# Altium PCB SVPX_FMC_6U_SOM.PcbDoc (part 9 of 9)
Units mm, origin at the board's own origin, x right, y up, seen from the top; angles counter-clockwise.
Board outline 160.38 x 233.53 mm, 10 copper layers (Top Layer, L1, P1, L2, P2, P3, L3, P4, L4, Bottom Layer), stack 1.749 mm thick; 649 components, 1262 nets, 4113 pads, 1924 vias.
Unrouted connection lines stored in the file: 1553.
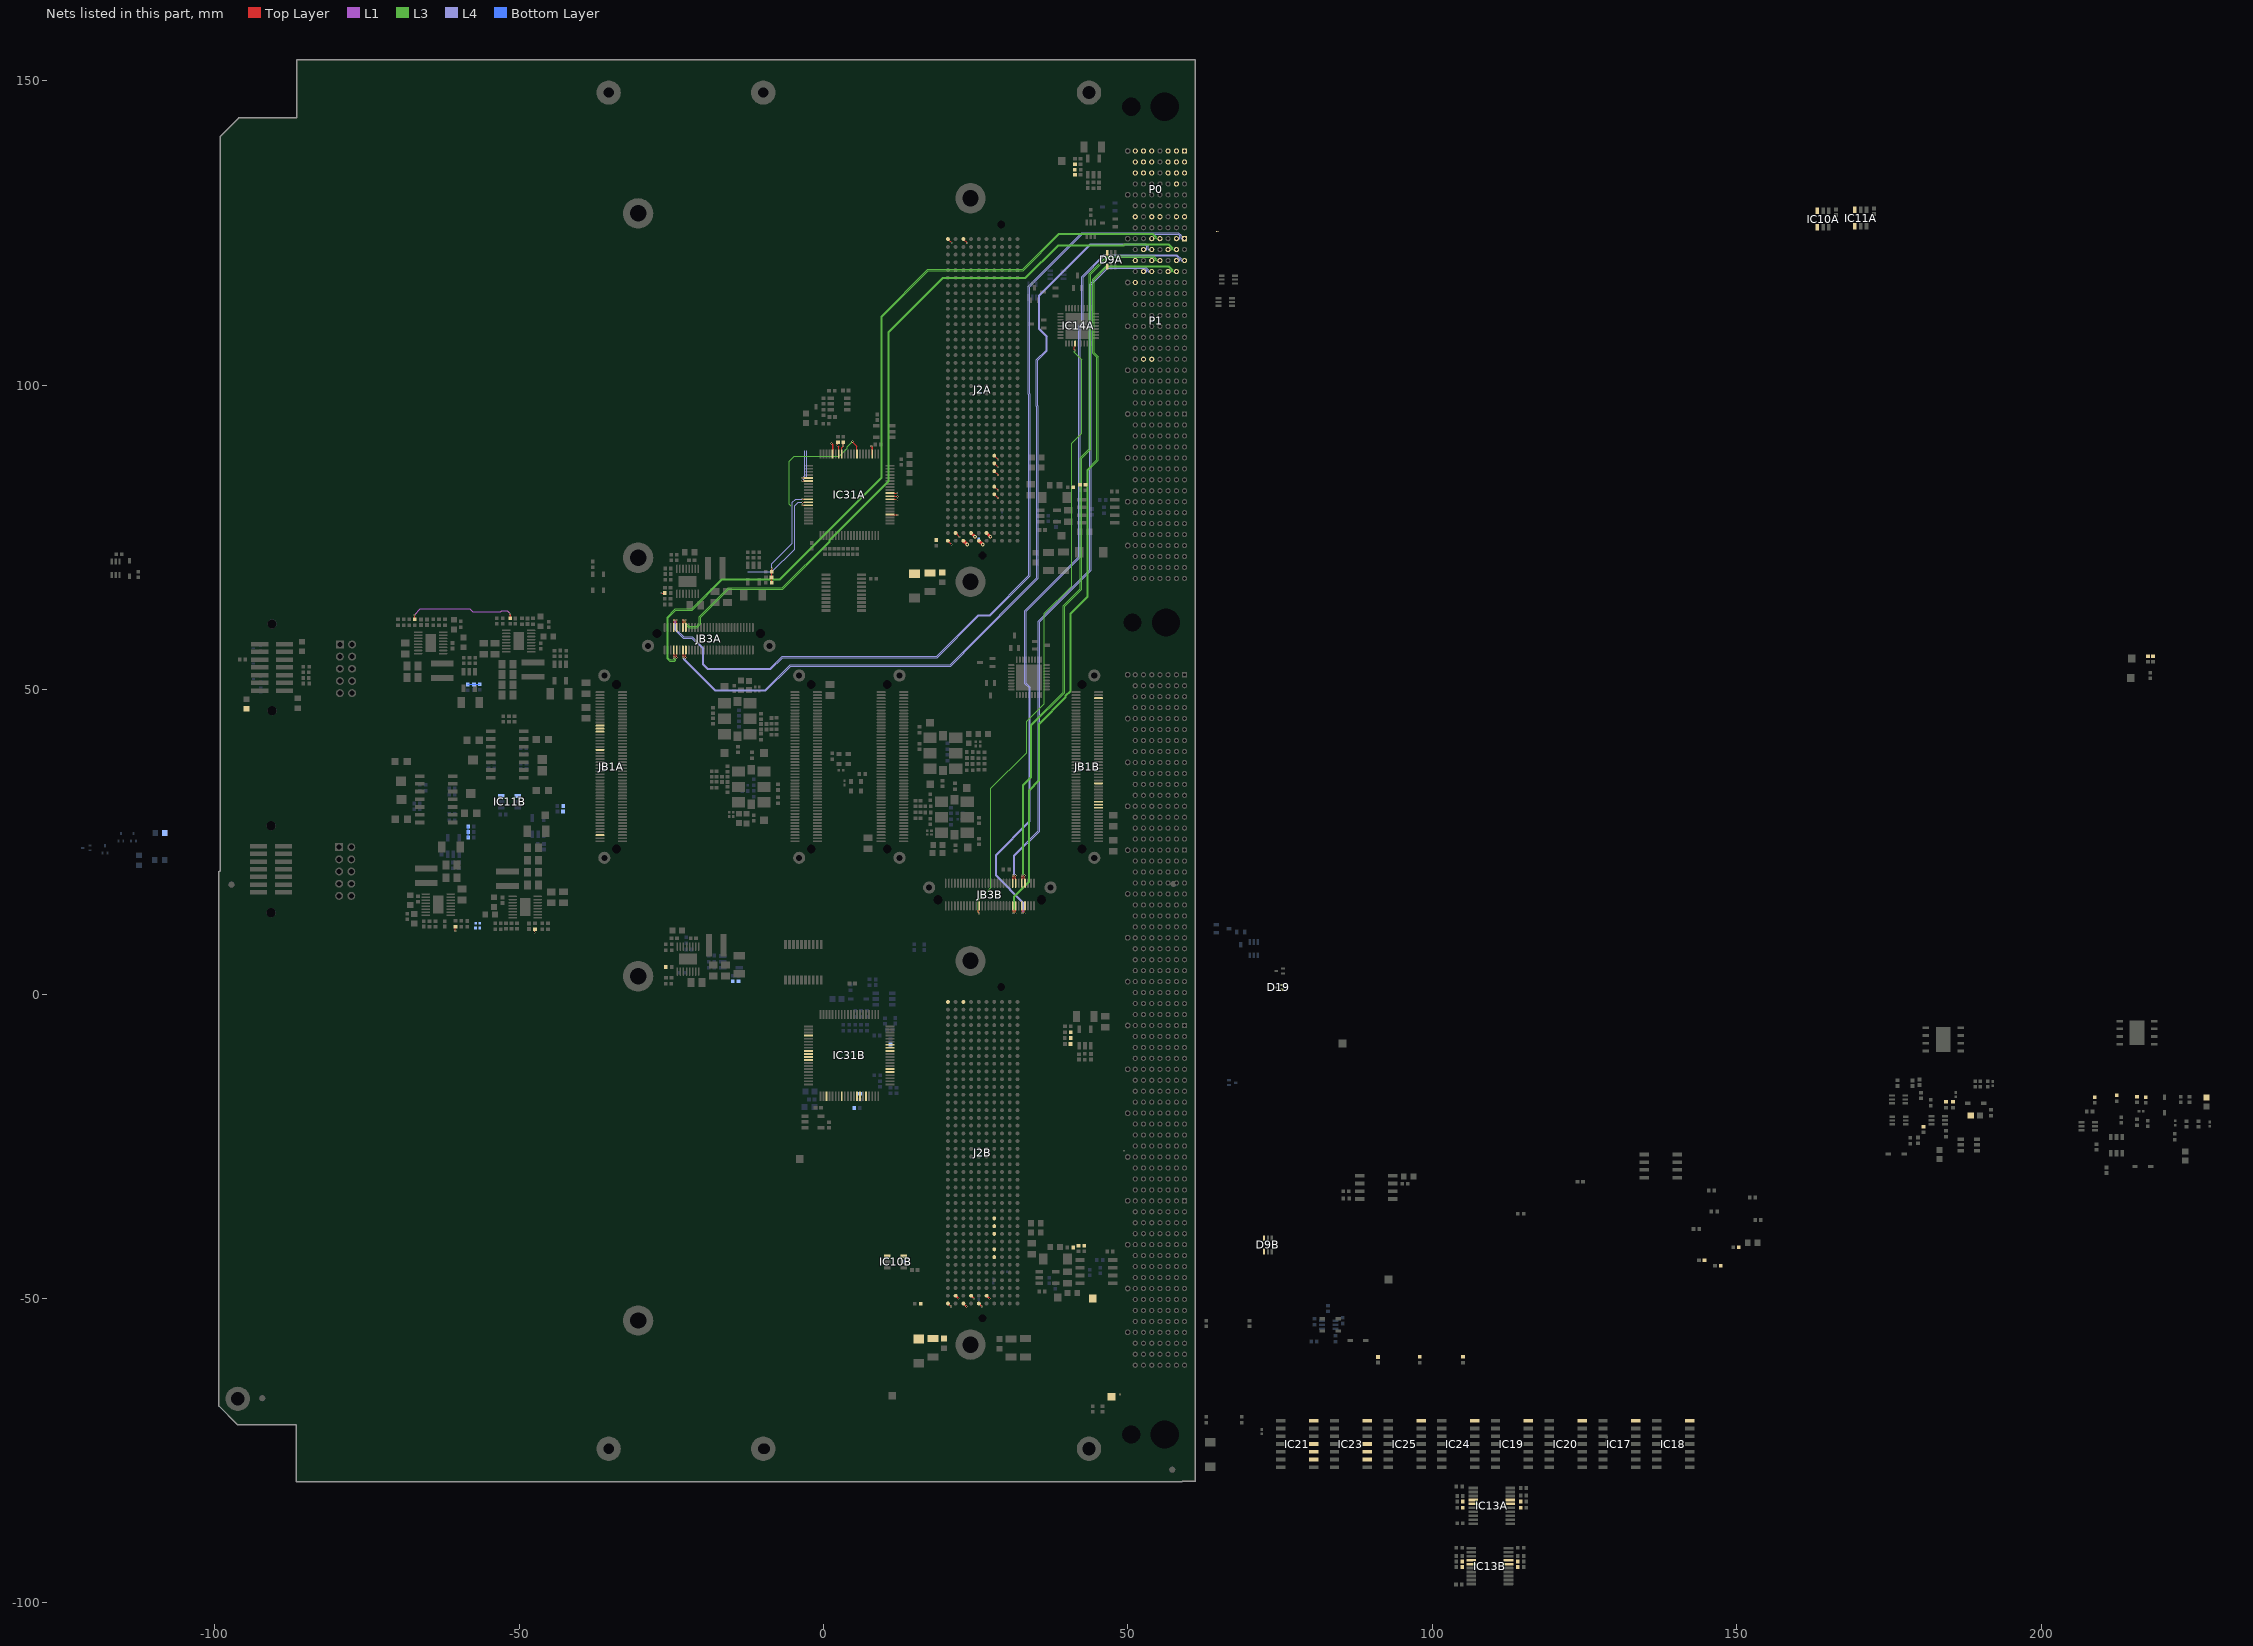
[diagram p17: the nets of this part, all layers, seen from the top]

## Via types
v1: diameter 0.32, hole 0.16, Top Layer to Bottom Layer, 654 vias
v2: diameter 0.6, hole 0.3, Top Layer to Bottom Layer, 398 vias
v3: diameter 1, hole 0.5, Top Layer to Bottom Layer, 314 vias
v4: diameter 0.3, hole 0.2, Top Layer to Bottom Layer, tented both sides, 270 vias
v5: diameter 0.6, hole 0.5, Top Layer to Bottom Layer, 248 vias
v6: diameter 0.5, hole 0.2, Top Layer to Bottom Layer, 18 vias
v7: diameter 0.3, hole 0.2, Top Layer to Bottom Layer, 18 vias
v8: diameter 0.4, hole 0.3, Top Layer to Bottom Layer, tented both sides, 4 vias

## Nets (pads, with @x,y where several pads share a name; then routed paths per layer and width w, separated by ;. In a path a pad name is that pad's centre, name@x,y a point inside that pad or via, vN(x,y) a via of type N, cw(c..) or ccw(c..) an arc to the next point about the centre after c; other vN are vias at no path point) (continued)
SpWB_SoutB_P: IC14A.31 JB3B.37 | length 102.6
  Top Layer w0.118: v1(25.535,13.259) 25.535,13.314 25.447,13.401 25.447,13.74 25.575,13.867 JB3B.37@25.575,14.5 ; v1(41.292,105.715) 41.292,105.77 41.205,105.857 41.205,106.311 41.332,106.439 IC14A.31@41.332,106.846
  L3 w0.078: v1(25.535,13.259) 25.535,13.324 25.438,13.42 25.438,15.431 27.507,17.5 27.507,33.781 33.401,39.675 33.401,44.814 36.296,47.708 36.296,62.534 40.783,67.021 40.783,90.448 42.417,92.082 42.417,104.217 41.196,105.438 41.196,105.553 41.292,105.649 v1(41.292,105.715)
SYNCA: JB1A.96 R4A.1 R17A.1 R25A.1 | length 18.6
  Top Layer w0.127: R17A.1@-67.15,61.545 v1(-67.151,62.284) ; v1(-26.65,65.85) R25A.1@-26.045,65.85
  Top Layer w0.254: v1(-51.46,62.459) -51.459,62.457 R4A.1@-51.459,61.723
  L1 w0.127: v1(-67.151,62.284) -66.188,63.246 -58.115,63.246 -57.639,62.77 -53.024,62.77 -52.872,62.922 -51.924,62.922 v1(-51.46,62.459)
SYNCB: JB1B.96 R4B.1 R17B.1 R25B.1 | length 1.4
  Top Layer w0.127: v1(-60.452,10.338) -60.444,10.346 R17B.1@-60.444,11.081 ; v1(-47.422,10.084) -47.422,10.655 R4B.1@-47.396,10.681
  other v4: 49.372,-25.742
SYS_CON*: P1.G5
SYS_CON*_A: D9A.4 IC21.9 IC31A.25 | length 5.6
  Top Layer w0.127: v1(-3.48,84.785) -3.475,84.78 -2.455,84.78 IC31A.25@-2.45,84.775
  L4 w0.127: v1(-3.48,84.785) -3.099,85.166 -3.099,89.205
SYS_CON*_B: D9B.4 IC23.9 IC31B.25
SYS_CONA_P: D9A.3 IC21.10 IC31A.26 | length 6.3
  Top Layer w0.127: v1(-3.48,84.303) -3.466,84.289 -2.464,84.289 IC31A.26@-2.45,84.275
  L4 w0.127: v1(-3.48,84.303) -2.769,85.014 -2.769,89.256
SYS_CONB_P: D9B.3 IC23.10 IC31B.26
SYS_CONP*: IC21.11 IC23.11
SYSRESET*: C210A.2 C210B.2 P0.B4 TP26.1
  other v4: 48.712,-65.791
TCK*_14: P0.G7
TCKA: J2A.d29 | length 0.9
  Top Layer w0.127: J2A.d29@28.05,88.431 v1(28.685,87.796)
TCKB: J2B.d29
TDI*_14: NT2.2 P0.D7
TDIA: J2A.d30 | length 0.9
  Top Layer w0.127: J2A.d30@28.05,87.161 v1(28.685,86.526)
TDIB: J2B.d30
TDO*_14: NT2.1 P0.E7
TDOA: J2A.d31 | length 0.9
  Top Layer w0.127: J2A.d31@28.05,85.891 v1(28.685,85.256)
TDOB: J2B.d31
TEMP_SCLA: IC10A.1 IC11A.1 IC31A.14 R96A.1 | length 2
  Top Layer w0.127: R96A.1@2.362,90.614 2.261,90.513 v1(2.261,90.119) 2.261,90.102 2.5,89.863 IC31A.14@2.5,88.725
TEMP_SCLB: IC10B.1 IC11B.1 IC31B.14 R96B.1
TEMP_SDAA: IC10A.6 IC11A.6 IC31A.13 R95A.1 | length 2.1
  Top Layer w0.127: IC31A.13@3,88.725 3,89.766 3.226,89.992 v1(3.226,90.094) 3.226,90.335 3.251,90.36 3.124,90.487 R95A.1@3.251,90.614
TEMP_SDAB: IC10B.6 IC11B.6 IC31B.13 R95B.1
TMS*_14: P0.B7
TMSA: J2A.d33 | length 0.9
  Top Layer w0.127: J2A.d33@28.05,83.351 v1(28.685,82.716)
TMSB: J2B.d33
TRST*_14: P0.A7
TRST_LA: J2A.d34 | length 0.9
  Top Layer w0.127: J2A.d34@28.05,82.081 v1(28.685,81.446)
TRST_LB: J2B.d34
TxDA: IC31A.8 R145A.2 | length 21.6
  Top Layer w0.127: v1(4.75,90.729) 5.5,89.979 IC31A.8@5.5,88.725
  L3 w0.127: -5.41,80.188 -5.639,80.416 -5.639,87.503 -4.775,88.367 2.591,88.367 2.972,88.748 3.879,89.655 3.879,89.858 v1(4.75,90.729)
TxDB: IC31B.8 R145B.2
UD_I2C_SCL_2V5A: IC13A.4 R38A.2
UD_I2C_SCL_2V5B: IC13B.4 R38B.2
UD_I2C_SCL_13: D19.1 P1.E12 R153.1
UD_I2C_SCLA: IC13A.17 IC13B.17 R39A.1 R39B.1 R153.2
UD_I2C_SDA_2V5A: IC13A.5 R40A.2
UD_I2C_SDA_2V5B: IC13B.5 R40B.2
UD_I2C_SDA_13: D19.2 P1.F12 R152.1
UD_I2C_SDAA: IC13A.16 IC13B.16 R41A.1 R41B.1 R152.2
Umeas_P2V5A: C86A.2 IC31A.33 R79A.2 R80A.2 | length 20.9
  Top Layer w0.127: v1(-3.48,80.772) -3.478,80.773 -2.452,80.773 IC31A.33@-2.45,80.775
  L4 w0.127: -12.471,69.367 -8.458,69.367 -4.75,73.076 -4.75,80.188 -4.166,80.772 v1(-3.48,80.772)
  Bottom Layer w0.127: R80A.2@-58.43,50.845 -56.483,50.845 R79A.2@-56.439,50.889
Umeas_P2V5B: C86B.2 IC31B.33 R79B.2 R80B.2 | length 1.8
  Bottom Layer w0.127: R79B.2@-58.357,25.705 -58.349,25.712 R80B.2@-58.349,26.624 -58.354,26.629 C86B.2@-58.354,27.524
Umeas_P3V3A: C87A.2 IC31A.32 R88A.1 R90A.2 | length 17.5
  Top Layer w0.127: R88A.1@-8.53,67.55 R90A.2@-8.53,69.35 -8.484,69.396 v1(-8.484,69.875) ; v1(-3.48,81.28) -3.477,81.277 -2.452,81.277 IC31A.32@-2.45,81.275
  L4 w0.127: v1(-8.484,69.875) -8.484,70.663 -5.105,74.041 -5.105,80.772 -4.597,81.28 v1(-3.48,81.28)
Umeas_P3V3B: C87B.2 IC31B.32 R88B.1 R90B.2
Umeas_P3V3MPA: C166A.2 IC31A.64 R87A.2 R93A.2 | length 1.2
  Top Layer w0.127: IC31A.64@10.95,78.775 10.98,78.745 12.111,78.745 v1(12.141,78.715)
Umeas_P3V3MPB: C166B.2 IC31B.64 R87B.2 R93B.2
Umeas_P5V0A: C82A.2 IC31A.34 R24A.1 | length 1
  Top Layer w0.127: v1(-3.48,80.315) -3.46,80.295 -2.47,80.295 IC31A.34@-2.45,80.275
Umeas_P5V0B: C82B.2 IC31B.34 R24B.1
Umeas_P12V0A: C23A.2 IC31A.3 R65A.2 R72A.2 | length 1.3
  Top Layer w0.254: v1(7.874,90.018) 7.887,90.005 7.887,89.927 7.905,89.909 7.905,89.856 7.977,89.784 7.977,88.748 IC31A.3@8,88.725
Umeas_P12V0B: C23B.2 IC31B.3 R65B.2 R72B.2
Umeas_P12V0INA: C11A.2 IC31A.16 R1A.2 R10A.2 | length 1.8
  Top Layer w0.254: v1(1.321,90.424) 1.321,90.406 1.5,90.227 IC31A.16@1.5,88.725
Umeas_P12V0INB: C11B.2 IC31B.16 R1B.2 R10B.2
UPD_MISOA: IC31A.70 | length 1.2
  Top Layer w0.086: IC31A.70@10.95,81.775 10.988,81.737 v1(12.141,81.737)
UPD_MISOB: IC31B.70
UPD_MOSIA: IC31A.69 | length 1.2
  Top Layer w0.086: IC31A.69@10.95,81.275 10.996,81.229 v1(12.116,81.229)
UPD_MOSIB: IC31B.69
UPD_SCKA: IC31A.71 JB1A.28 | length 1.2
  Top Layer w0.086: IC31A.71@10.95,82.275 10.954,82.271 v1(12.116,82.271)
UPD_SCKB: IC31B.71 JB1B.28
UPD_SPI.P1V8_outA: JB1A.40
UPD_SPI.P1V8_outB: JB1B.40
UPD_SPI.UPD_MISOA: JB1A.24
UPD_SPI.UPD_MISOB: JB1B.24
UPD_SPI.UPD_MOSIA: JB1A.26
UPD_SPI.UPD_MOSIB: JB1B.26
UPD_SPI.UPD_SCKA: R100A.2
UPD_SPI.UPD_SCKB: R100B.2
UPD_SPI.UPD_SDIA: R109A.2
UPD_SPI.UPD_SDIB: R109B.2
UPD_SPI.UPD_SDOA: R101A.2
UPD_SPI.UPD_SDOB: R101B.2
UPD_SPI.UPD_SSA: R99A.2
UPD_SPI.UPD_SSB: JB1B.18 R99B.2
UPD_SPI.UPD_SSB: IC31B.72
UTP01-RD0_N: JB3A.7 P1.B1 | length 148.7
  Top Layer w0.167: JB3A.7@-24.6,60.2 -24.6,60.836 -24.496,60.939 -24.496,61.205 -24.53,61.239 -24.53,61.399 v1(-24.56,61.428)
  L4 w0.086: v1(-24.56,61.428) -24.56,61.374 -24.447,61.261 -24.447,59.846 -23.056,58.455 -21.621,58.455 -19.855,56.688 -19.855,54.072 -19.105,53.323 -8.628,53.323 -6.697,55.253 18.652,55.253 25.529,62.13 27.357,62.13 33.858,68.631 33.858,98.628 33.858,116.18 42.512,124.833 58.224,124.833 58.531,124.526 58.531,124.116 58.481,124.065 P1.B1@57.954,124.065
UTP01-RD0_P: JB3A.9 P1.A1 | length 148.7
  Top Layer w0.167: v1(-24.14,61.428) -24.169,61.399 -24.169,61.239 -24.203,61.205 -24.203,60.939 -24.1,60.836 JB3A.9@-24.1,60.2
  L4 w0.086: v1(-24.14,61.428) -24.14,61.374 -24.252,61.261 -24.252,59.927 -22.975,58.65 -21.541,58.65 -19.66,56.769 -19.66,54.153 -19.025,53.518 -8.709,53.518 -6.778,55.448 18.571,55.448 25.448,62.325 27.277,62.325 33.663,68.712 33.663,98.547 33.663,116.26 42.431,125.028 58.305,125.028 58.726,124.607 58.726,124.116 58.777,124.065 P1.A1@59.304,124.065
UTP01-RD0B_N: JB3B.7 P1.B3 | length 132.5
  Top Layer w0.167: v1(33.035,13.272) 33.005,13.301 33.005,13.461 32.971,13.495 32.971,13.761 33.075,13.864 JB3B.7@33.075,14.5
  L4 w0.086: v1(33.035,13.272) 33.035,13.326 32.922,13.439 32.922,15.03 28.448,19.504 28.448,22.809 33.992,28.353 33.992,50.362 33.274,51.079 33.274,62.894 42.13,71.75 42.13,109.715 42.622,110.206 42.622,117.729 46.126,121.233 57.969,121.233 58.531,120.671 58.531,120.516 58.481,120.465 P1.B3@57.954,120.465
UTP01-RD0B_P: JB3B.9 P1.A3 | length 133.1
  Top Layer w0.167: JB3B.9@32.575,14.5 32.575,13.864 32.678,13.761 32.678,13.495 32.644,13.461 32.644,13.301 v1(32.615,13.272)
  L4 w0.086: v1(32.615,13.272) 32.615,13.326 32.727,13.439 32.727,14.949 28.253,19.423 28.253,22.89 33.797,28.433 33.797,50.281 33.079,50.999 33.079,62.975 41.935,71.831 41.935,109.796 42.427,110.287 42.427,117.81 46.045,121.428 58.05,121.428 58.726,120.752 58.726,120.516 58.777,120.465 P1.A3@59.304,120.465
UTP01-TD0_N: JB3A.8 P1.E1 | length 132
  Top Layer w0.167: JB3A.8@-24.6,56.5 -24.6,55.864 -24.496,55.761 -24.496,55.474 -24.53,55.44 -24.53,55.279 v1(-24.56,55.25)
  L3 w0.086: v1(-24.56,55.25) -24.56,55.195 -24.447,55.083 -24.447,54.934 -24.498,54.883 -25.186,54.883 -25.49,55.188 -25.49,61.835 -24.257,63.068 -21.59,63.068 -16.63,68.028 -7.082,68.028 9.679,84.789 9.679,111.279 17.228,118.828 32.773,118.828 38.71,124.765 53.988,124.765 54.481,124.272 54.481,124.116 54.431,124.065 P1.E1@53.904,124.065
UTP01-TD0_P: JB3A.10 P1.D1 | length 133.3
  Top Layer w0.167: v1(-24.14,55.25) -24.169,55.279 -24.169,55.44 -24.203,55.474 -24.203,55.761 -24.1,55.864 JB3A.10@-24.1,56.5
  L3 w0.086: v1(-24.14,55.25) -24.14,55.195 -24.252,55.083 -24.252,54.852 -24.417,54.687 -25.267,54.687 -25.686,55.106 -25.686,61.916 -24.338,63.264 -21.671,63.264 -16.711,68.224 -7.163,68.224 9.483,84.87 9.483,111.36 17.147,119.024 32.692,119.024 38.628,124.961 54.069,124.961 54.677,124.353 54.677,124.116 54.727,124.065 P1.D1@55.254,124.065
UTP01-TD0B_N: JB3B.8 P1.E3 | length 117.4
  Top Layer w0.167: v1(33.035,19.482) 33.005,19.453 33.005,19.292 32.971,19.258 32.971,18.939 33.075,18.836 JB3B.8@33.075,18.2
  L3 w0.086: v1(33.035,19.482) 33.035,19.537 32.922,19.649 32.922,34.319 34.239,35.636 34.239,44.12 39.61,49.491 39.61,63.717 42.393,66.499 42.393,88.013 43.868,89.489 43.868,118.239 46.662,121.033 54.119,121.033 54.481,120.672 54.481,120.516 54.431,120.465 P1.E3@53.904,120.465
UTP01-TD0B_P: JB3B.10 P1.D3 | length 118
  Top Layer w0.167: JB3B.10@32.575,18.2 32.575,18.836 32.678,18.939 32.678,19.258 32.644,19.292 32.644,19.453 v1(32.615,19.482)
  L3 w0.086: v1(32.615,19.482) 32.615,19.537 32.727,19.649 32.727,34.401 34.043,35.717 34.043,44.201 39.414,49.572 39.414,63.798 42.197,66.581 42.197,88.094 43.672,89.57 43.672,118.32 46.581,121.229 54.201,121.229 54.677,120.753 54.677,120.516 54.727,120.465 P1.D3@55.254,120.465
UTP02-RD0_N: JB3A.13 P1.C2 | length 124.3
  Top Layer w0.167: JB3A.13@-23.1,60.2 -23.1,60.836 -22.996,60.939 -22.996,61.205 -23.03,61.239 -23.03,61.399 v1(-23.06,61.428)
  L3 w0.086: v1(-23.06,61.428) -23.06,61.373 -22.947,61.261 -22.947,61.058 -22.094,60.205 -20.772,60.205 -20.193,60.784 -20.193,61.851 -15.54,66.504 -6.679,66.504 1.119,74.302 1.119,74.497 10.82,84.198 10.82,108.719 19.634,117.533 33.23,117.533 38.608,122.911 49.375,122.911 49.497,123.033 56.619,123.033 57.181,122.472 57.181,122.316 57.131,122.265 P1.C2@56.604,122.265
UTP02-RD0_P: JB3A.15 P1.B2 | length 124.3
  Top Layer w0.167: v1(-22.64,61.428) -22.669,61.399 -22.669,61.239 -22.703,61.205 -22.703,60.939 -22.6,60.836 JB3A.15@-22.6,60.2
  L3 w0.086: v1(-22.64,61.428) -22.64,61.373 -22.752,61.261 -22.752,61.139 -22.013,60.401 -20.853,60.401 -20.389,60.866 -20.389,61.932 -15.621,66.7 -6.76,66.7 0.923,74.384 0.923,74.578 10.624,84.279 10.624,108.8 19.553,117.729 33.149,117.729 38.527,123.107 49.293,123.107 49.416,123.229 56.701,123.229 57.377,122.553 57.377,122.316 57.427,122.265 P1.B2@57.954,122.265
UTP02-RD0B_N: JB3B.13 P1.C4 | length 125.9
  Top Layer w0.167: v1(31.535,13.272) 31.505,13.301 31.505,13.461 31.471,13.495 31.471,13.761 31.575,13.864 JB3B.13@31.575,14.5
  L3 w0.086: v1(31.535,13.272) 31.535,13.327 31.422,13.439 31.422,15.979 33.876,18.433 33.876,33.426 35.535,35.085 35.535,44.351 39.909,48.725 39.909,48.966 40.691,49.748 40.691,62.435 43.485,65.229 43.485,86.057 45.085,87.658 45.085,104.699 44.45,105.334 44.45,117.323 46.558,119.431 51.655,119.431 51.658,119.433 56.619,119.433 57.181,118.872 57.181,118.716 57.131,118.665 P1.C4@56.604,118.665
UTP02-RD0B_P: JB3B.15 P1.B4 | length 126.6
  Top Layer w0.167: JB3B.15@31.075,14.5 31.075,13.864 31.178,13.761 31.178,13.495 31.144,13.461 31.144,13.301 v1(31.115,13.272)
  L3 w0.086: v1(31.115,13.272) 31.115,13.327 31.227,13.439 31.227,16.06 33.68,18.514 33.68,33.508 35.339,35.166 35.339,44.432 39.713,48.806 39.713,49.047 40.495,49.83 40.495,62.517 43.289,65.311 43.289,86.139 44.889,87.739 44.889,104.618 44.254,105.253 44.254,117.404 46.477,119.627 51.574,119.627 51.577,119.629 56.701,119.629 57.377,118.953 57.377,118.716 57.427,118.665 P1.B4@57.954,118.665
UTP02-TD0_N: JB3A.14 P1.F2 | length 139.5
  Top Layer w0.167: JB3A.14@-23.1,56.5 -23.1,55.864 -22.996,55.761 -22.996,55.474 -23.03,55.44 -23.03,55.279 v1(-23.06,55.25)
  L4 w0.086: v1(-23.06,55.25) -23.06,55.195 -22.947,55.083 -22.947,54.88 -17.884,49.818 -9.47,49.818 -5.414,53.873 20.901,53.873 23.099,56.072 ; 23.076,56.096 35.154,68.174 35.154,96.647 35.154,104.064 36.771,105.681 36.771,108.031 35.535,109.267 35.535,114.706 43.899,123.071 52.875,123.071 53.131,122.814 53.131,122.316 53.081,122.265 P1.F2@52.554,122.265
UTP02-TD0_P: JB3A.16 P1.E2 | length 139.5
  Top Layer w0.167: v1(-22.64,55.25) -22.669,55.279 -22.669,55.44 -22.703,55.474 -22.703,55.761 -22.6,55.864 JB3A.16@-22.6,56.5
  L4 w0.086: v1(-22.64,55.25) -22.64,55.195 -22.752,55.083 -22.752,54.961 -17.804,50.013 -9.55,50.013 -5.495,54.068 20.82,54.068 22.962,56.21 ; 22.938,56.234 34.959,68.254 34.959,96.566 34.959,104.145 36.576,105.762 36.576,107.95 35.34,109.186 35.34,114.787 43.819,123.266 52.955,123.266 53.326,122.895 53.326,122.316 53.377,122.265 P1.E2@53.904,122.265
UTP02-TD0B_N: JB3B.14 P1.F4 | length 114.8
  Top Layer w0.167: v1(31.535,19.482) 31.505,19.453 31.505,19.292 31.471,19.258 31.471,18.939 31.575,18.836 JB3B.14@31.575,18.2
  L4 w0.086: v1(31.535,19.482) 31.535,19.537 31.422,19.649 31.422,22.684 35.484,26.746 35.484,46.884 ; 35.484,46.914 35.484,61.116 43.942,69.574 43.942,116.459 46.716,119.233 52.769,119.233 53.131,118.871 53.131,118.716 53.081,118.665 P1.F4@52.554,118.665
UTP02-TD0B_P: JB3B.16 P1.E4 | length 115.4
  Top Layer w0.167: JB3B.16@31.075,18.2 31.075,18.836 31.178,18.939 31.178,19.258 31.144,19.292 31.144,19.453 v1(31.115,19.482)
  L4 w0.086: v1(31.115,19.482) 31.115,19.537 31.227,19.649 31.227,22.765 35.289,26.827 35.289,61.197 43.747,69.655 43.747,116.54 46.636,119.428 52.85,119.428 53.326,118.952 53.326,118.716 53.377,118.665 P1.E4@53.904,118.665
VADJA: C179A.2 C184A.1 C185A.2 J2A.e39 J2A.f40 J2A.g39 J2A.h40 L9A.2 | length 3.6
  Top Layer w0.5: J2A.h40@22.97,74.461 v2(23.605,73.826) ; J2A.g39@24.24,75.731 v2(24.875,75.096) ; J2A.f40@25.51,74.461 v2(26.145,73.826) ; J2A.e39@26.78,75.731 v2(27.415,75.096)
VADJB: C179B.2 C184B.1 C185B.2 J2B.e39 J2B.f40 J2B.g39 J2B.h40 L9B.2 | length 2.8
  Top Layer w0.275: J2B.h40@22.97,-50.818 v4(23.47,-51.318) ; J2B.g39@24.24,-49.548 v4(24.74,-50.048) ; J2B.f40@25.51,-50.818 v4(26.01,-51.318) ; J2B.e39@26.78,-49.548 v4(27.28,-50.048)
VBAT_13: P1.G3
VDD: IC17.14 IC18.14 IC19.14 IC20.14 IC21.14 IC23.14 IC24.14 IC25.14
VIO_B_M2CA: J2A.j39 J2A.k40 R156A.2 | length 1.8
  Top Layer w0.127: J2A.k40@20.43,74.461 v1(21.065,73.826) ; J2A.j39@21.7,75.731 v1(22.335,75.096)
VIO_B_M2CB: J2B.j39 J2B.k40 R156B.2 | length 1.4
  Top Layer w0.275: J2B.k40@20.43,-50.818 v4(20.93,-51.318) ; J2B.j39@21.7,-49.548 v4(22.2,-50.048)
VREF_A_M2CA: J2A.h1 | length 0.9
  Top Layer w0.127: J2A.h1@22.97,123.991 v1(23.605,123.356)
VREF_A_M2CB: J2B.h1
VREF_B_M2CA: J2A.k1 | length 0.9
  Top Layer w0.127: J2A.k1@20.43,123.991 v1(21.065,123.356)
VREF_B_M2CB: J2B.k1
VS1: P0.E1 P0.E2 P0.F1 P0.F2 P0.G1 P0.G2 TP15.1
Vs2_14: P0.A1 P0.A2 P0.B1 P0.B2 P0.C1 P0.C2
Vs3_14: P0.A3 P0.B3 P0.C3 P0.E3 P0.F3 P0.G3
pads on no net: D2A.3 D2A.4 D2A.6 D2B.3 D2B.4 D2B.6 D9A.1 D9A.6 D9B.1 D9B.6 FTG1.FTG2 FTG2.FTG2 FTG3.FTG2 FTG4.FTG2 FTG5.FTG2 FTG6.FTG2 FTG7.FTG2 FTG8.FTG2 IC3A.4 IC3B.4 IC6A.6 IC6B.6 IC7A.1 IC7A.6 IC7A.7 IC7B.1 IC7B.6 IC7B.7 IC9A.6 IC9B.6 IC10A.5 IC10B.5 IC13A.6 IC13A.7 IC13A.8 IC13A.9 IC13A.12 IC13A.13 IC13A.14 IC13A.15 IC13B.6 IC13B.7 IC13B.8 IC13B.9 IC13B.12 IC13B.13 IC13B.14 IC13B.15 IC14A.4 IC14A.5 IC14A.6 IC14A.12 IC14A.13 IC14A.14 IC14A.32 IC14A.33 IC14A.34 IC14B.4 IC14B.5 IC14B.6 IC14B.12 IC14B.13 IC14B.14 IC14B.32 IC14B.33 IC14B.34 IC15A.4 IC15B.4 IC16A.9 IC16B.9 IC21.8 IC23.8 IC24.6 IC24.8 IC24.9 IC24.10 IC24.11 IC24.12 IC25.6 IC25.8 IC25.9 IC25.10 IC25.11 IC25.12 IC31A.5 IC31A.10 IC31A.18 IC31A.50 IC31A.54 IC31A.55 IC31A.59 IC31A.62 IC31A.72 IC31A.74 IC31A.75 IC31A.77 IC31A.78 IC31B.5 IC31B.10 IC31B.18 IC31B.50 IC31B.54 IC31B.55 IC31B.59 IC31B.62 IC31B.74 IC31B.75 IC31B.77 IC31B.78 IC32A.1 IC32B.1 J1A.4 J1A.7 J1B.4 J1B.7 J2A.1 J2A.2 J2A.b40 J2B.1 J2B.2 J2B.b40 J3A. J3A.6 J3A.10 J3A.12 J3B. J3B.6 J3B.10 J3B.12 JB1A.8 JB1A.13 JB1A.18 JB1A.20 JB1A.22 JB1A.29 JB1A.32 JB1A.34 JB1A.80 JB1A.H1 JB1A.H2 JB1B.8 JB1B.13 JB1B.20 JB1B.22 JB1B.29 JB1B.32 JB1B.34 JB1B.80 JB1B.H1 JB1B.H2 JB2A.12 JB2A.13 JB2A.14 JB2A.15 JB2A.16 JB2A.17 JB2A.18 JB2A.20 JB2A.21 JB2A.23 JB2A.25 JB2A.26 JB2A.27 JB2A.28 JB2A.30 JB2A.32 JB2A.34 JB2A.47 JB2A.62 JB2A.64 JB2A.90 JB2A.91 JB2A.93 JB2A.99 JB2A.H1 JB2A.H2 JB2B.12 JB2B.13 JB2B.14 JB2B.15 JB2B.16 JB2B.17 JB2B.18 JB2B.20 JB2B.21 JB2B.23 JB2B.25 JB2B.26 JB2B.27 JB2B.28 JB2B.30 JB2B.32 JB2B.34 JB2B.47 JB2B.62 JB2B.64 JB2B.90 JB2B.91 JB2B.93 JB2B.99 JB2B.H1 JB2B.H2 JB3A.1 JB3A.2 JB3A.3 JB3A.4 JB3A.25 JB3A.26 JB3A.27 JB3A.28 JB3A.32 JB3A.34 JB3A.48 JB3A.57 JB3A.59 JB3A.H1 JB3A.H2 JB3B.1 JB3B.2 JB3B.3 JB3B.4 JB3B.25 JB3B.26 JB3B.27 JB3B.28 JB3B.32 JB3B.34 JB3B.48 JB3B.57 JB3B.59 JB3B.H1 JB3B.H2 K1.MH1 K1.MH2 K2.MH1 K2.MH2 K3.MH1 K3.MH2 P0.D1 P0.D2 P0.D3 P0.MH1 P0.MH2 P1.A5 P1.A7 P1.A9 P1.A11 P1.B5 P1.B6 P1.B7 P1.B8 P1.B9 P1.B10 P1.B11 P1.B12 P1.C6 P1.C8 P1.C10 P1.C12 P1.D5 P1.D7 P1.D9 P1.D11 P1.E5 P1.E6 P1.E7 P1.E8 P1.E9 P1.E10 P1.E11 P1.F6 P1.F8 P1.F10 P1.G1 P1.MH1 P1.MH2 P1.MH3 P1.MH4 P2.A1 P2.A3 P2.A5 P2.A7 P2.A9 P2.A11 P2.A13 P2.A15 P2.B1 P2.B2 P2.B3 P2.B4 P2.B5 P2.B6 P2.B7 P2.B8 P2.B9 P2.B10 P2.B11 P2.B12 P2.B13 P2.B14 P2.B15 P2.B16 P2.C2 P2.C4 P2.C6 P2.C8 P2.C10 P2.C12 P2.C14 P2.C16 P2.D1 P2.D3 P2.D5 P2.D7 P2.D9 P2.D11 P2.D13 P2.D15 P2.E1 P2.E2 P2.E3 P2.E4 P2.E5 P2.E6 P2.E7 P2.E8 P2.E9 P2.E10 P2.E11 P2.E12 P2.E13 P2.E14 P2.E15 P2.E16 P2.F2 P2.F4 P2.F6 P2.F8 P2.F10 P2.F12 P2.F14 P2.F16 P2.G1 P2.G3 P2.G5 P2.G7 P2.G9 P2.G11 P2.G13 P2.G15 P2.MH1 P2.MH2 P2.MH3 P2.MH4 P3.A2 P3.A4 P3.A6 P3.A8 P3.A10 P3.A12 P3.A14 P3.A16 P3.C1 P3.C3 P3.C5 P3.C7 P3.C9 P3.C11 P3.C13 P3.C15 P3.D2 P3.D4 P3.D6 P3.D8 P3.D10 P3.D12 P3.D14 P3.D16 P3.F1 P3.F3 P3.F5 P3.F7 P3.F9 P3.F11 P3.F13 P3.F15 P3.G2 P3.G4 P3.G6 P3.G8 P3.G10 P3.G12 P3.G14 P3.G16 P3.MH1 P3.MH2 P3.MH3 P3.MH4 P4.A2 P4.A4 P4.A6 P4.A8 P4.A10 P4.A12 P4.A14 P4.A16 P4.C1 P4.C3 P4.C5 P4.C7 P4.C9 P4.C11 P4.C13 P4.C15 P4.D2 P4.D4 P4.D6 P4.D8 P4.D10 P4.D12 P4.D14 P4.D16 P4.F1 P4.F3 P4.F5 P4.F7 P4.F9 P4.F11 P4.F13 P4.F15 P4.G2 P4.G4 P4.G6 P4.G8 P4.G10 P4.G12 P4.G14 P4.G16 P4.MH1 P4.MH2 P4.MH3 P4.MH4 P5.A2 P5.A4 P5.A6 P5.A8 P5.A10 P5.A12 P5.A14 P5.A16 P5.C1 P5.C3 P5.C5 P5.C7 P5.C9 P5.C11 P5.C13 P5.C15 P5.D2 P5.D4 P5.D6 P5.D8 P5.D10 P5.D12 P5.D14 P5.D16 P5.F1 P5.F3 P5.F5 P5.F7 P5.F9 P5.F11 P5.F13 P5.F15 P5.G2 P5.G4 P5.G6 P5.G8 P5.G10 P5.G12 P5.G14 P5.G16 P5.MH1 P5.MH2 P5.MH3 P5.MH4 P6.A2 P6.A4 P6.A6 P6.A8 P6.A10 P6.A12 P6.A14 P6.A16 P6.C1 P6.C3 P6.C5 P6.C7 P6.C9 P6.C11 P6.C13 P6.C15 P6.D2 P6.D4 P6.D6 P6.D8 P6.D10 P6.D12 P6.D14 P6.D16 P6.F1 P6.F3 P6.F5 P6.F7 P6.F9 P6.F11 P6.F13 P6.F15 P6.G2 P6.G4 P6.G6 P6.G8 P6.G10 P6.G12 P6.G14 P6.G16 P6.MH1 P6.MH2 P6.MH3 P6.MH4 T3A.1 T3A.2 T3A.6 T3B.1 T3B.2 T3B.6
copper on no net: | length 0.9
  Top Layer w0.127: 30.59,74.461 v1(31.225,73.826)
  other v2: -35.85,12.95 -1.85,12.95 10.325,12.95 44.325,12.95 -37.05,13.272 -34.65,13.272 -3.05,13.272 -0.65,13.272 9.125,13.272 11.525,13.272 43.125,13.272 45.525,13.272 -37.928,14.15 -33.772,14.15 -3.928,14.15 0.228,14.15 8.247,14.15 12.403,14.15 42.247,14.15 46.403,14.15 -38.25,15.35 -33.45,15.35 -4.25,15.35 0.55,15.35 7.925,15.35 12.725,15.35 41.925,15.35 46.725,15.35 -37.928,16.55 -33.772,16.55 -3.928,16.55 0.228,16.55 8.247,16.55 12.403,16.55 42.247,16.55 46.403,16.55 -37.05,17.428 -34.65,17.428 -3.05,17.428 -0.65,17.428 9.125,17.428 11.525,17.428 43.125,17.428 45.525,17.428 -35.85,17.75 -1.85,17.75 10.325,17.75 44.325,17.75 -35.85,56.95 -1.85,56.95 10.325,56.95 44.325,56.95 -37.05,57.272 -34.65,57.272 -3.05,57.272 -0.65,57.272 9.125,57.272 11.525,57.272 43.125,57.272 45.525,57.272 -37.928,58.15 -33.772,58.15 -3.928,58.15 0.228,58.15 8.247,58.15 12.403,58.15 42.247,58.15 46.403,58.15 -38.25,59.35 -33.45,59.35 -4.25,59.35 0.55,59.35 7.925,59.35 12.725,59.35 41.925,59.35 46.725,59.35 -37.928,60.55 -33.772,60.55 -3.928,60.55 0.228,60.55 8.247,60.55 12.403,60.55 42.247,60.55 46.403,60.55 -37.05,61.428 -34.65,61.428 -3.05,61.428 -0.65,61.428 9.125,61.428 11.525,61.428 43.125,61.428 45.525,61.428 -35.85,61.75 -1.85,61.75 10.325,61.75 44.325,61.75
  other v4: 21.514,-41.412

## Polygon pours and split planes (outlines as drawn)
MAIN_PWR.P3V3MPB on Bottom Layer "MAIN_PWR.P3V3MPB_L10_P075" (solid, pour order 75): 36.324,-2.527 36.324,-5.1 39.075,-5.1 39.075,-2.527
shell_1 on Bottom Layer "SHELL_1_L10_P012" (solid, remove dead copper, pour order 12): -98.933,153.365 58.373,153.365 60.425,151.326 60.425,142.865 -72.696,142.865 -84.096,142.865 -97.307,142.865 -97.307,72.365 -97.307,64.173 -98.933,65.798
shell_1 on Bottom Layer "GND_bottom_thermal1" (solid, pour order 10): -86.025,-79.675 58.7,-79.675 60.55,-77.825 60.55,-69.485 -86.025,-69.485
NetC20B_2 on Top Layer "NETC20B_2_L01_P203" (solid, remove dead copper, pour order 203): -61.29,25.248 -63.373,25.248 -67.285,21.336 -67.285,19.736 -63.856,19.736 -62.332,18.212 -61.29,18.212
GND on Top Layer "GND_L01_P221" (solid, remove dead copper, pour order 221): -50.063,12.675 -50.063,16.256 -49.555,16.764 -47.955,16.764 -47.701,17.018 -47.701,25.07 -47.473,25.298 -45.542,25.298 -45.542,19.38 -44.069,17.907 -41.834,17.907 -41.783,17.856 -41.783,15.977 -45.39,15.977 -46.016,15.35 -47.955,15.35 -47.955,12.7
P12V0B on Top Layer "P12V0B_L01_P219" (solid, remove dead copper, pour order 219): -47.752,14.275 -45.796,14.275 -45.161,13.64 -41.783,13.64 -41.783,15.697 -45.466,15.697 -45.898,15.265 -47.752,15.265
P5V0_buckB on Top Layer "P5V0_BUCKB_L01_P217" (solid, remove dead copper, pour order 217): -53.95,19.075 -49.708,19.075 -49.505,18.872 -49.505,16.916 -47.93,16.916 -47.93,25.273 -47.752,25.451 -47.752,27.915 -49.555,27.915 -53.95,23.52
NetC6B_2 on Top Layer "NETC6B_2_L01_P215" (solid, remove dead copper, pour order 215): -50.267,14.859 -52.121,14.859 -53.416,16.154 -53.391,16.18 -53.391,16.434 -53.95,16.993 -53.95,18.491 -49.733,18.491 -49.733,16.866 -50.267,16.332
GND on Top Layer "GND_L01_P209" (solid, remove dead copper, pour order 209): -64.262,13.106 -62.408,13.106 -62.078,13.437 -62.078,15.697 -60.579,15.697 -59.944,16.332 -58.522,16.332 -58.522,22.149 -61.087,22.149 -61.087,18.136 -61.138,18.085 -62.967,18.085 -62.967,17.45 -64.237,16.18
P12V0B on Top Layer "P12V0B_L01_P207" (solid, remove dead copper, pour order 207): -62.001,15.621 -60.477,15.621 -59.995,16.104 -57.76,16.104 -57.76,14.63 -62.001,14.63
NetC19B_2 on Top Layer "NETC19B_2_L01_P205" (solid, remove dead copper, pour order 205): -67.285,19.431 -63.856,19.431 -63.068,18.644 -63.068,17.551 -63.271,17.348 -64.414,16.205 -64.414,15.24 -66.878,15.24 -67.259,15.621
MAIN_PWR.P5V0A on Top Layer "MAIN_PWR.P5V0A_L01_P197" (solid, remove dead copper, pour order 197): -42.545,50.292 -35.814,50.292 -35.814,48.412 -35.865,48.362 -42.545,48.362
P5V0_buckA on Top Layer "P5V0_BUCKA_L01_P195" (solid, remove dead copper, pour order 195): -50.063,55.118 -50.063,53.492 -49.936,53.365 -45.669,53.365 -45.06,52.756 -45.06,50.978 -43.917,49.835 -43.917,48.133 -51.816,48.133 -51.816,54.864 -51.562,55.118
GND on Top Layer "GND_L01_P189" (solid, remove dead copper, pour order 189): -51.105,59.614 -51.105,57.023 -51.181,56.947 -52.934,56.947 -53.264,56.617 -56.667,56.617 -56.667,54.966 -54.432,52.73 -54.432,48.133 -52.019,48.133 -51.994,48.158 -51.994,54.889 -51.638,55.245 -50.14,55.245 -49.073,56.312 -49.073,56.464 -49.073,59.563
P12V0B on Top Layer "P12V0B_L01_P191" (solid, remove dead copper, pour order 191): -51.257,57.074 -51.308,57.023 -53.061,57.023 -53.289,56.794 -56.667,56.794 -56.667,59.639 -53.721,59.639 -53.365,59.284 -53.365,58.537 -52.807,57.978 -51.257,57.978
NetC6A_2 on Top Layer "NETC6A_2_L01_P193" (solid, remove dead copper, pour order 193): -48.87,57.455 -48.87,56.159 -49.911,55.118 -49.911,53.569 -45.593,53.569 -45.593,57.429
NetC20A_2 on Top Layer "NETC20A_2_L01_P187" (solid, remove dead copper, pour order 187): -65.126,49.022
NetC20A_2 on Top Layer "NETC20A_2_L01_P185" (solid, remove dead copper, pour order 185): -64.897,52.883 -60.274,52.883 -60.274,49.835 -59.588,49.149 -58.699,49.149 -58.699,46.711 -62.027,46.711 -64.897,49.581
NetC19A_2 on Top Layer "NETC19A_2_L01_P181" (solid, remove dead copper, pour order 181): -63.398,57.175 -63.398,55.651 -63.627,55.423 -64.745,55.423 -64.897,55.27 -64.897,53.238 -60.274,53.238 -60.274,57.15
GND on Top Layer "GND_L01_P179" (solid, remove dead copper, pour order 179): -63.373,56.477
GND on Top Layer "GND_L01_P177" (solid, remove dead copper, pour order 177): -65.456,59.385 -65.456,56.678 -65.556,56.577 -69.748,56.577 -69.748,51 -67.567,51 -67.464,51.103 -67.464,54.786 -66.65,55.601 -63.576,55.601 -63.576,59.385
P12V0B on Top Layer "P12V0B_L01_P175" (solid, remove dead copper, pour order 175): -65.687,56.693 -70.375,56.693 -70.375,60.378 -69.5,60.378 -67.794,58.673 -67.728,58.607 -67.687,58.152 -67.212,57.677 -65.687,57.677
P3V3_buckA on Top Layer "P3V3_BUCKA_L01_P173" (solid, remove dead copper, pour order 173): -17.86,72.205 -17.86,67.515 -18.894,67.515 -18.895,65.805 -18.4,65.31 -14.525,65.31 -14.14,64.925 -14.14,64.352 -11.754,64.352 -11.6,64.507 -11.6,66.578 -11.893,66.871 -12.721,66.871 -13.843,67.993 -13.843,70.448 -15.6,72.205
NetC30A_2 on Top Layer "NETC30A_2_L01_P171" (solid, remove dead copper, pour order 171): -21.839,68.985 -19.974,68.985 -19.6,68.61 -19.6,67.752 -19.548,67.7 -18.14,67.7 -18.14,72.142 -18.203,72.205 -20.379,72.205 -21.839,70.745
GND on Top Layer "GND_L01_P169" (solid, remove dead copper, pour order 169): -23.872,68.779 -23.872,66.725 -21.435,66.725 -21.2,66.49 -21.2,62.214 -21.184,62.205 -14.65,62.205 -14.65,65.041 -14.859,65.25 -18.5,65.25 -18.56,65.31 -19.837,66.588 -19.837,68.441 -20.175,68.779
P12V0B on Top Layer "P12V0B_L01_P167" (solid, remove dead copper, pour order 167): -22.325,65.575 -22.317,65.583 -21.361,65.583 -21.361,62.205 -23.647,62.205 -23.647,63.603 -22.325,64.925
shell_1 on Top Layer "GND_top_thermal2" (solid, remove dead copper, pour order 18): -98.933,153.128 58.593,153.128 60.325,151.405 60.325,142.993 -96.925,142.993 -96.925,72.493 -96.925,65.777 -98.933,65.777
shell_1 on Top Layer "GND_top_thermal1" (solid, pour order 16): -86.05,-79.45 58.625,-79.45 60.35,-77.725 60.35,-69.485 -86.05,-69.485
GND on P2 "GND_L05_P161" (solid, remove dead copper, pour order 161): -100.225,-81.72 -100.225,21.25 72.057,21.25 72.057,-81.632
MAIN_PWR.P2V5A on P2 "MAIN_PWR.P2V5A_L05_P119" (solid, remove dead copper, pour order 119): 19.393,-56.921 21.522,-56.917 21.522,-56.874 25.846,-52.55 27.575,-52.55 27.575,-56.896 27.754,-57.075 30.752,-57.075 31.053,-56.774 31.053,-45.525 23.428,-37.899 16.202,-37.899 -1.925,-19.772 -1.925,-14.425 1.421,-14.425 14.28,-1.566 14.28,5.252 20.242,5.252 20.475,5.252 23.867,2.073 35.425,2.073 35.425,-69.199 35.55,-69.324 25.825,-69.324 18.537,-62.036 18.537,-57.812
MAIN_PWR.P3V3B on P2 "MAIN_PWR.P3V3B_L05_P117" (solid, remove dead copper, pour order 117): -7.75,-10.6 -7.636,-10.714 1.743,-10.714 1.743,-10.644 12.049,-0.338 12.049,0.39 4.714,0.39 -2.477,-6.8 -7.775,-6.8
VADJB on P2 "VADJB_L05_P083" (solid, pour order 83): 14.15,-56.618 21.475,-56.618 25.768,-52.325 27.675,-52.325 27.675,-49.59 27.665,-49.6 23.025,-49.6 23.025,-49.975 18.936,-54.064 14.15,-54.064
3P3VB on P2 "L2-3P3V" (solid, pour order 79): 27.85,-45.526 27.85,-56.75 30.725,-56.75 30.75,-56.775 30.75,-45.525
no net on P2 "NONET_L05_P111" (solid, remove dead copper, pour order 111): 12.049,0.39 12.049,-0.408 1.743,-10.714 -7.961,-10.714 -8,-10.675 -8,-51 -7.825,-50.825 3.909,-50.825 12.279,-42.455 12.279,-40.911 11.18,-40.911 5.902,-35.632 5.902,-26.438 -0.765,-19.772 -1.925,-19.772 -1.925,-14.425 1.421,-14.425 14.275,-1.571 14.275,0.375
MAIN_PWR.P3V3B on P2 "MAIN_PWR.P3V3B_L05_P105" (solid, remove dead copper, pour order 105): -68.535,-61 -68.467,-61.067 -68.467,-68.433 11.033,-68.433 11.1,-68.5 11.1,-53.539 16.912,-47.727 16.912,-39.805 16.807,-39.7 16.794,-39.712 14.15,-39.712 14.15,-39.748 2.898,-51 -41,-51 -42,-51.999 -42,-61
12P0VB on L3 "12P0VB_L07_P141" (hatched 45Degree grid 0.635 track 0.391, remove dead copper, pour order 141): 35.162,-48.325 35.162,-44.65 29.4,-44.65 29.4,-48.3
MAIN_PWR.P3V3B on L3 "MAIN_PWR.P3V3B_L07_P097" (solid, remove dead copper, pour order 97): 27.475,-66.8 27.466,-66.791 27.466,-60.777 40.735,-47.508 44.575,-47.508 44.575,-62.595 35.377,-62.595 34.76,-66.793
P3V3_buckA on L3 "P3V3_BUCKA_L07_P101" (solid, remove dead copper, pour order 101): 35.602,-65.992 35.602,-62.875 48,-62.875 48.025,-62.85 48.075,-62.9 48.075,-66 37.7,-66
12P0VB on L2 "12P0VB_L04_P143" (hatched 90Degree grid 0.625 track 0.381, remove dead copper, pour order 143): 35.162,-48.325 35.162,-44.65 29.4,-44.65 29.4,-48.3
P12V0B on L2 "P12V0B_L04_P099" (hatched 90Degree grid 0.625 track 0.381, remove dead copper, pour order 99): 30.125,-61.75 30.125,-63.825 33.35,-67.05 38.036,-67.05 46.086,-59 46.086,-55.4 36.55,-55.4
MAIN_PWR.P3V3MPB on P3 "MAIN_PWR.P3V3MPB_L06_P151" (solid, remove dead copper, pour order 151): -102.595,-81.175 50.405,-81.175 50.404,-1.825 -102.08,-1.825
no net on P3 "NONET_L06_P135" (solid, remove dead copper, pour order 135): 35.85,-11.15 35.85,5.1 36.775,6.025 36.775,20.908 -100.75,20.908 -100.75,-8.405 -4.845,-8.405 -4.675,-8.575 -4.675,-14.311 -2.901,-16.085 -2.901,-18.699 -1.05,-20.55 -1.05,-23.45 0.75,-25.25 0.75,-27.882 5.69,-27.882 6.683,-28.876 14.642,-28.876 14.642,-28.435 31.927,-11.15
no net on P3 "NONET_L06_P125" (solid, remove dead copper, pour order 125): 12,-18.875 12.375,-18.5 12.375,-6.507 11.068,-5.2 10.466,-5.2 10.466,-13.166 11.225,-13.925 11.225,-18.875
P12V0B on P3 "P12V0B_L06_P149" (solid, remove dead copper, pour order 149): 36.775,20.908 36.775,6.025 35.917,5.167 35.917,-2.601 35.85,-2.668 40.762,-2.668 42.62,-4.526 42.62,-22.549 37.325,-27.844 37.325,-41.615 42.45,-46.74 42.45,-57.05 38.029,-61.471 38.029,-66.879 51.262,-80.112 62.1,-80.325 62.1,20.947
MAIN_PWR.P3V3B on P3 "MAIN_PWR.P3V3B_L06_P131" (solid, remove dead copper, pour order 131): 34.85,-55.578 34.85,-59.075 32.425,-61.5 2.5,-61.5 -8,-51 -8,-8.591 -4.691,-8.591 -4.675,-8.575 -4.675,-14.524 -3.1,-16.099 -3.1,-18.5 -1.05,-20.55 -1.05,-23.45 0.75,-25.25 0.75,-27.95 -0.375,-29.075 -0.375,-30.1 -3.325,-33.05 -3.325,-39.025 -4.305,-41.3 -3.472,-42.133 -3.472,-47.925 -0.358,-47.925 0.704,-48.988 28.259,-48.987
no net on P3 "NONET_L06_P133" (solid, remove dead copper, pour order 133): 35.85,-11.15 31.927,-11.15 14.265,-28.812 6.62,-28.812 5.93,-28.122 0.578,-28.122 -0.375,-29.075 -0.375,-30.15 -3.325,-33.1 -3.325,-40.315 -4.302,-41.292 -4.302,-43.932 -3.309,-44.925 -3.309,-47.892 -3.393,-47.975 0.023,-47.975 1.036,-48.988 21.104,-48.987 22.771,-47.32 22.771,-31.919 31.09,-23.599 31.09,-21.248 35.85,-16.489
no net on P3 "P1V2_SERDES_L06_P127" (solid, remove dead copper, pour order 127): 1.75,-7.536 1.75,-9.275 4.95,-12.475 4.95,-18.6 6.25,-19.9 7.9,-19.9 10.5,-22.5 11.068,-22.5 11.068,-13.768 10.466,-13.166 10.475,-13.156 10.475,-7.575
12P0VB on L4 "12P0VB_L09_P139" (hatched 45Degree grid 0.635 track 0.381, remove dead copper, pour order 139): 35.162,-48.325 35.162,-44.65 29.4,-44.65 29.4,-48.3
GND on P1 "GND_L03_P121" (solid, remove dead copper, pour order 121): -99.475,21.294 -99.475,-70.85 -89.225,-81.1 61.65,-81.1 61.65,21.042
GND on P4 "GND_L08_P123" (solid, remove dead copper, pour order 123): -99.475,21.125 -99.475,-81.275 62.075,-81.275 62.075,20.873

## Keep-outs
Keep-Out Layer:
  lines w0.4: -97,-61 -42,-61 -42,-52 -40.7,-50.7 -8,-50.7 -8,0 -41,0 -42,1 -42,9 -97,9 -97,-61
  lines w0.5: 58.804,153.45 60.804,151.45 ; -99.196,-67.5 -99.196,140.654 -95.967,143.883 -86.5,143.883 -86.5,153.35 -86.282,153.568 58.657,153.568 60.804,151.421 60.804,-77.9 58.804,-79.9 -86.496,-79.9 -86.496,-70.55 -96.146,-70.55 -99.196,-67.5

## Other copper
Top Layer:
  pour cut-out: 34.665,-2.527 33.02,-2.527 33.025,-2.532 33.025,-2.75 34.65,-2.75
  pour cut-out: -47.935,11.113 -47.958,11.09 -48.09,11.09 -48.09,11.225 -47.925,11.225
  pour cut-out: 46.925,0.4 48.831,0.4 48.875,0.444 48.875,-0.705 46.905,-0.705 46.9,-0.7
L3:
  pour cut-out: -13.373,1.358

## Silkscreen, mask and mechanical layers (free items; w line width, h text height)
Top Overlay:
  text "P1V2_Core" at 26.475,141.3 h1
  text "P1V2_Core" at 27.075,8.9 h1
  text "P2V5" at 17.5,7.55 h1
  text "A" at 4.343,-11.194 h1
  text "B" at 10.175,-11.194 h1
  text "P1V8" at 9.5,-48.1 h1 r90
  text "SDA_H" at -1.4,-48.55 h1
  text "P3V3MP" at -6.35,-51.475 h1 r90
  text "12V0_FMC" at 33.027,-52.487 h1
  text "P12V0" at 43.225,-52.6 h1
  text "SCL_H" at 5,-65.45 h1
  text "P3V3" at 6.05,-67.325 h1
Bottom Overlay:
  text "Licensed under CERN OHL v.1.2" at -4.897,141.603 h1.02
  text "Licensed under CERN OHL v.1.2" at 95.528,114.028 h1.02
  text "WUT ISE 2019" at 90.24,112.125 h1
  text "SVPX-FMC-3U-Carrier" at 88.182,110.172 h2
  text "Board" at 95.33,110.172 h2
  text "1.0" at 88.182,108.571 h2
  text "Version" at 95.33,108.571 h2
  text ".Print_Date" at 88.182,107.011 h2
  text "Date" at 95.361,107.011 h2
  text "TP1" at -4.858,-9.5 h1
  text "TP4" at -1.356,-9.838 h1
  text "TP3" at 3.59,-11.677 h1
  text "TP2" at -2.025,-15.15 h1
Top Solder:
  rectangle: -99.325,143.282 48.475,153.475
  rectangle: -86.625,-80.125 48.3,-70.439
  rectangle: -99.325,143.282 48.475,153.475
Bottom Solder:
  rectangle: -99.325,143.282 48.475,153.475
  rectangle: -86.625,-80.125 48.3,-70.439
  rectangle: -99.325,143.282 48.475,153.475
Mechanical 1:
  lines w0.1: -97,64.5 -97,134.275 -42,134.275 -42,126.5 -42,126.275 -41,125.275 -8,125.275 -8,74.75 -8,74.575 -8.175,74.575 -40.7,74.575 -42,73.275 ; -96.5,143.865 -95.597,143.865 -95.25,143.865 ; -89.75,143.865 -88.847,143.865 ; -85.75,153.365 -84.847,153.365 ; -42,64.5 -42,73.25 ; 58.804,-79.985 58.804,-79.985 ; 60.804,18.015 60.804,20.015 ; 58.804,-79.985 -86.496,-79.985 -86.496,-70.587 -96.194,-70.587 -99.196,-67.585 -99.196,140.865 -96.196,143.865 -86.696,143.865 -86.696,153.365 58.804,153.365 60.804,151.365 60.804,-77.985 58.804,-79.985 ; -97,-61 -42,-61 -42,-52 -40.7,-50.7 -8,-50.7 -8,0 -41,0 -42,1 -42,9 -97,9 -97,-61 ; -97,64.279 -97,134.279 -42,134.279 -42,126.279 -41,125.279 -8,125.279 -8,74.579 -40.7,74.579 -42,73.279 -42,64.279 -97,64.279
  lines w0.2: -35.85,37.35 -33.85,37.35 ; -34.85,36.35 -34.85,38.35 ; -19.85,58.35 -17.85,58.35 ; -18.85,57.35 -18.85,59.35 ; -3.85,37.35 -1.85,37.35 ; -2.85,36.35 -2.85,38.35 ; 10.325,37.35 12.325,37.35 ; 11.325,36.35 11.325,38.35 ; 26.325,16.35 28.325,16.35 ; 27.325,15.35 27.325,17.35 ; 42.325,37.35 44.325,37.35 ; 43.325,36.35 43.325,38.35
Mechanical 2:
  circle w0.1: c-35.076,-74.685 r0.75
  lines w0.1: -100,134.279 -95.25,134.279 ; -97,141.25 -97,9 ; -96.656,-66.665 -94.656,-68.665 46.204,-68.665 47.083,-67.786 47.083,7.986 46.374,8.695 ; -89.045,133.841 -89.045,143.829 ; -85.045,143.341 -85.045,153.329 ; -35.076,-75.435 -35.076,-74.685 -35.076,-73.935 ; -34.326,-74.685 -35.826,-74.685 ; -31.452,-53.608 -29.452,-53.608 ; -31.452,2.942 -29.452,2.942 ; -31.452,71.671 -29.452,71.671 ; -31.452,128.221 -29.452,128.221 ; -30.455,-54.612 -30.455,-53.612 ; -30.455,70.667 -30.455,71.667 ; -30.452,-54.608 -30.452,-52.608 ; -30.452,1.942 -30.452,3.942 ; -30.452,2.942 -29.052,2.942 ; -30.452,70.671 -30.452,72.671 ; -30.452,127.221 -30.452,129.221 ; -30.452,128.221 -29.052,128.221 ; 21.587,-1.288 22.97,-1.288 ; 21.587,123.991 22.97,123.991 ; 22.97,-57.562 24.145,-57.562 ; 22.97,-1.829 22.97,-1.288 ; 22.97,-0.73 22.97,-1.288 ; 22.97,5.438 24.145,5.438 ; 22.97,67.717 24.145,67.717 ; 22.97,123.45 22.97,123.991 ; 22.97,124.549 22.97,123.991 ; 22.97,130.717 24.145,130.717 ; 24.145,-58.562 24.145,-57.562 ; 24.145,-56.562 24.145,-57.562 ; 24.145,4.438 24.145,5.438 ; 24.145,6.438 24.145,5.438 ; 24.145,66.717 24.145,67.717 ; 24.145,68.717 24.145,67.717 ; 24.145,129.717 24.145,130.717 ; 24.145,131.717 24.145,130.717 ; 24.24,-1.288 22.97,-1.288 ; 24.24,123.991 22.97,123.991 ; 25.545,-57.562 24.145,-57.562 ; 25.545,5.438 24.145,5.438 ; 25.545,67.717 24.145,67.717 ; 25.545,130.717 24.145,130.717 ; -97,9 -97,-61 -49.003,-61 -42,-61 -42,-52 -40.75,-50.75 -8,-50.75 -8,-0.062 ; -97,9 -42,9 -42,1 -41,0 -8,0 -8,-0.062 ; -92.545,-59.704 -92.545,-59.704 ; -92.545,-59.704 -92.545,-59.704 ; -92.545,65.575 -92.545,65.575 ; -92.545,65.575 -92.545,65.575 ; -35.826,-74.685 -35.826,-74.685 ; -19.155,-60.562 -19.155,-60.562 ; -19.155,-60.562 -96.455,-60.562 -96.455,8.438 -14.355,8.438 42.545,8.438 42.545,-60.562 -19.155,-60.562 ; -8,-0.062 -8,-0.062 ; -8,125.216 -8,125.279 -41,125.279 -42,126.279 -42,134.279 -97,134.279 -97,64.279 -49.003,64.279 -42,64.279 -42,73.279 -40.75,74.529 -8,74.529 -8,125.216 ; -8,125.216 -8,125.216 ; -96.455,64.717 -19.155,64.717 42.545,64.717 42.545,133.717 -14.355,133.717 -96.455,133.717 -96.455,64.717 ; -25.88,64.817 -25.88,64.817
  lines w0.15: 42.545,-60.562 42.545,8.438 ; 42.545,64.717 42.545,133.717
Mechanical 3:
  lines w0.1: -96.653,-60.55 -19.353,-60.55 42.347,-60.55 42.347,8.45 -14.553,8.45 -96.653,8.45 -96.653,-60.55 ; -96.653,64.729 -19.353,64.729 42.347,64.729 42.347,133.729 -14.553,133.729 -96.653,133.729 -96.653,64.729
  lines w0.15: 42.547,-60.55 42.547,8.45 ; 42.547,64.729 42.547,133.729
  text "JB2" at 7.469,39.956 h1.5 r180
Mechanical 6:
  text "- Nominal values used, all dimensions are mm." at 285.108,180.225 h1.5
  text "- Stackup is not specified in AV46DOT0.PDF, nor implemented in this template." at 285.108,178.447 h1.5
  text "- The component height constraint is defined in AV46DOT0.pdf, page 90." at 286.108,176.475 h1.5

## Dimensions
197.108,-66.275 to 204.108,-73.775 on Mechanical 6

## Text inside footprints (layer, text, board x,y; h text height)
J1A: Top Overlay "9" at -78.975,47.625 h1.02 r90; Top Overlay "1" at -79.025,58.725 h1.02 r90; Top Overlay "2" at -76.9,58.7 h1.02 r90; Top Overlay "10" at -76.875,46.675 h1.02 r90
J1B: Top Overlay "9" at -79.1,14.325 h1.02 r90; Top Overlay "1" at -79.15,25.425 h1.02 r90; Top Overlay "2" at -77.025,25.4 h1.02 r90; Top Overlay "10" at -77,13.375 h1.02 r90
J2A: Top Overlay "1" at 30.775,124.704 h1; Top Overlay "40" at 29.5,71.754 h1.2; Mechanical 14 "1" at 33.583,124.516 h1 r180; Mechanical 14 "40" at 31.606,72.937 h1.2 r180
J2B: Top Overlay "40" at 29.5,-53.525 h1.2; Top Overlay "1" at 30.775,-0.575 h1; Mechanical 14 "40" at 31.606,-52.342 h1.2 r180; Mechanical 14 "1" at 33.583,-0.763 h1 r180
JB1A: Mechanical 13 "100" at -33.35,51.1 h0.7 r270; Mechanical 13 "99" at -36.85,50.65 h0.7 r270; Mechanical 13 "2" at -33.25,24.85 h0.7 r270; Mechanical 13 "1" at -36.95,24.85 h0.7 r270
JB1B: Mechanical 13 "100" at 41.825,23.6 h0.7 r90; Mechanical 13 "99" at 45.325,24.05 h0.7 r90; Mechanical 13 "2" at 41.725,49.85 h0.7 r90; Mechanical 13 "1" at 45.425,49.85 h0.7 r90
JB2A: Mechanical 13 "100" at -1.35,51.1 h0.7 r270; Mechanical 13 "99" at -4.85,50.65 h0.7 r270; Mechanical 13 "2" at -1.25,24.85 h0.7 r270; Mechanical 13 "1" at -4.95,24.85 h0.7 r270
JB2B: Mechanical 13 "100" at 9.825,23.6 h0.7 r90; Mechanical 13 "99" at 13.325,24.05 h0.7 r90; Mechanical 13 "2" at 9.725,49.85 h0.7 r90; Mechanical 13 "1" at 13.425,49.85 h0.7 r90
JB3A: Mechanical 13 "59" at -27.85,56.15 h0.7; Mechanical 13 "60" at -27.85,60.05 h0.7; Mechanical 13 "2" at -11.1,60.05 h0.7; Mechanical 13 "1" at -11.1,56.15 h0.7
JB3B: Mechanical 13 "59" at 36.325,18.55 h0.7 r180; Mechanical 13 "60" at 36.325,14.65 h0.7 r180; Mechanical 13 "2" at 19.575,14.65 h0.7 r180; Mechanical 13 "1" at 19.575,18.55 h0.7 r180
P0: Mechanical 15 "Board Edge" at 61.804,145.215 h1.5 r90